# Altium PCB PIC18F_SUBSYSTEM_V1I1_PCB.PcbDoc (continued)
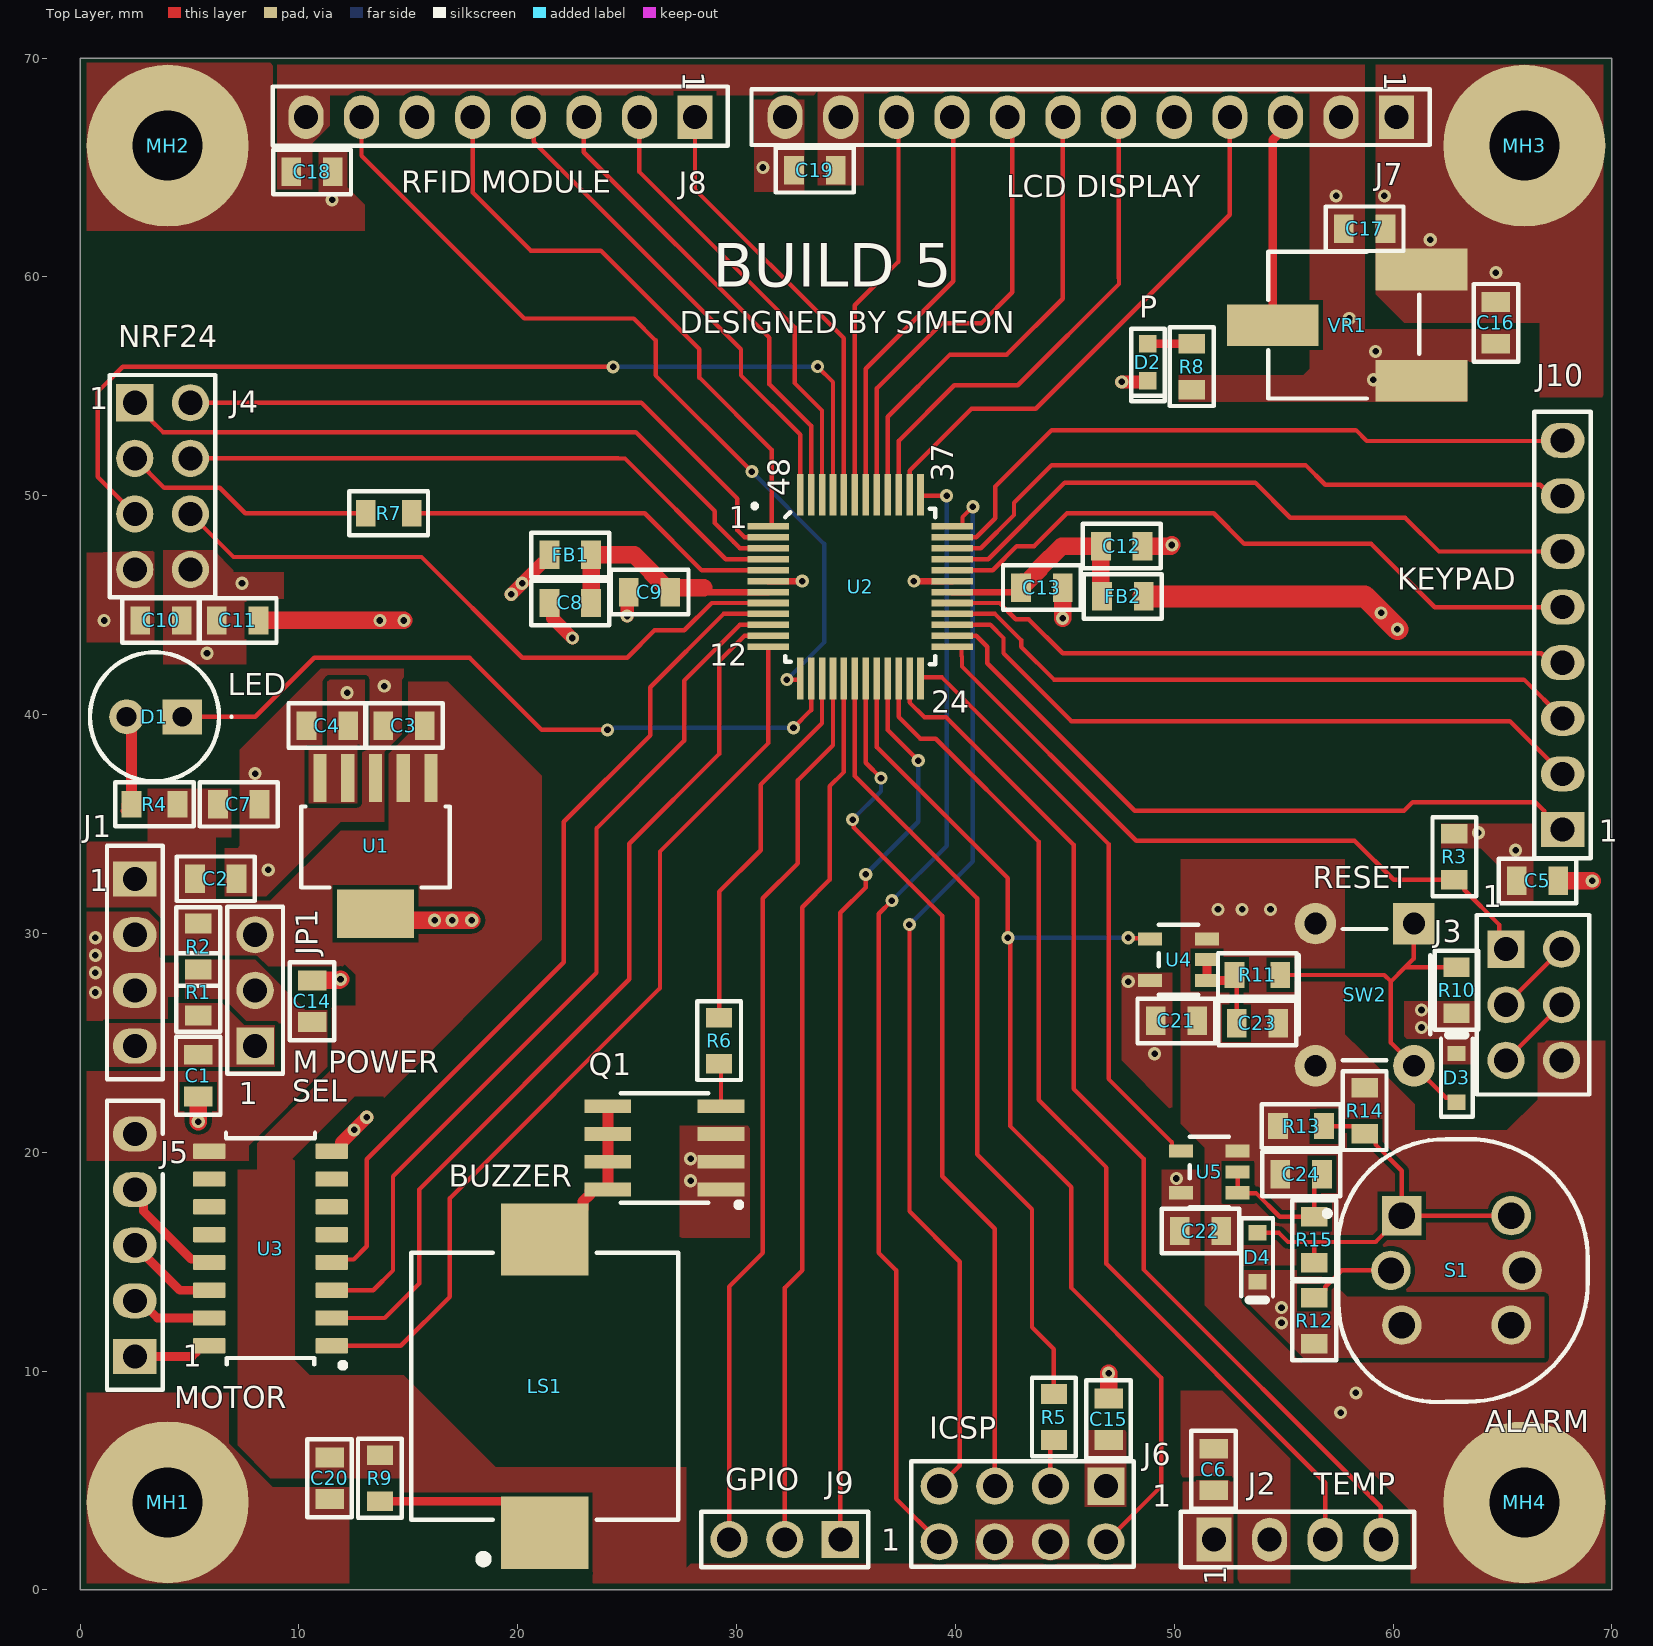
[diagram p0: Top Layer view]
## Part data (continued)
U3: "50-V, 7-ch darlington transistor array, -20C to 70C 16-SOIC -40 to 70", Case/Package=SOIC, Collector Emitter Breakdown Voltage=50V, Collector Emitter Saturation Voltage=1.1V, Collector-emitter Voltage-Max=1.6V, Current Rating=500mA, Manufacturer="Texas Instruments", Max Operating Temperature=70°C, Min Operating Temperature=-20°C, Package Quantity=2500, Supplier Part Number=595-ULN2003ADR, Category="Integrated Circuits (ICs)", Collector Emitter Voltage (VCEO)=50V, ComponentLink1Description=https://datasheet.ciiva.com/27049/700605-27049624.pdf?src-supplier=Jameco, ComponentLink1URL=https://datasheet.ciiva.com/27049/700605-27049624.pdf?src-supplier=Jameco, ComponentLink2Description=https://datasheet.ciiva.com/1193/1851982-1193407.pdf?src-supplier=Element14, ComponentLink2URL=https://datasheet.ciiva.com/1193/1851982-1193407.pdf?src-supplier=Element14, ComponentLink3Description=https://datasheet.ciiva.com/46423/1831474-46423371.pdf?src-supplier=Element14, ComponentLink3URL=https://datasheet.ciiva.com/46423/1831474-46423371.pdf?src-supplier=Element14, ComponentLink4Description=https://datasheet.ciiva.com/1700/uln2003a-1700767.pdf?src-supplier=Digikey, ComponentLink4URL=https://datasheet.ciiva.com/1700/uln2003a-1700767.pdf?src-supplier=Digikey, ComponentLink5Description=https://datasheet.ciiva.com/1700/uln2003a-1700766.pdf?src-supplier=Digikey, ComponentLink5URL=https://datasheet.ciiva.com/1700/uln2003a-1700766.pdf?src-supplier=Digikey, ComponentLink6Description=https://datasheet.ciiva.com/1700/uln2003a-1700768.pdf?src-supplier=Digikey, ComponentLink6URL=https://datasheet.ciiva.com/1700/uln2003a-1700768.pdf?src-supplier=Digikey, Height=1.58mm, Lead Free="Lead Free", Length=9.9mm, Manufacturer Part Number=ULN2003ADR, Max Breakdown Voltage=50V, Max Collector Current=500mA, Mounting Technology="Surface Mount", Number of Drivers=7, Number of Elements=7, Packaging="Tape and Reel", Pins=16, Polarity=NPN, Pricing="1=0.45, 10=0.3, 50=0.3, 100=0.159, 1000=0.144, 10000=0.095 (USD)", Radiation Hardening=No, Reach SVHC Compliant=No, RoHS=Yes, RoHS Compliant=Yes, Series="Automotive, AEC-Q100", Stock=207108, Supplier=Mouser, Supplier 1=Mouser, Supplier Part Number 1=595-ULN2003ADR, Voltage Rating (DC)=50V, Weight=0.004998oz, Width=3.91mm
U4 U5: "AND Gate, AHC/VHC/H/U/V Series, 1-Func, 2-Input, CMOS, PDSO5", Case/Package=LSSOP, Load Capacitance (CL)=50pF, Manufacturer="Texas Instruments", Max Operating Temperature=125°C, Max Supply Voltage=5.5V, Min Operating Temperature=-55°C, Min Supply Voltage=2V, Nominal Supply Voltage=3.3V, Package Body Material=Plastic, Package Equivalence Code=TSOP5/6,.11,37, Package Shape=Rectangular, Package Style="SMALL OUTLINE, LOW PROFILE, SHRINK PITCHMeter", Peak Reflow Temperature (Cel)=260°C, Power Supplies=2/5.5V, Supplier Part Number=296-29202-1-ND, Temperature Grade=MILITARY, Category="Logic Gates", Channels=1, ComponentLink1Description=https://www.ti.com:443/lit/ds/symlink/sn74ahc1g09.pdf?src-supplier=IHS+Markit, ComponentLink1URL=https://www.ti.com:443/lit/ds/symlink/sn74ahc1g09.pdf?src-supplier=IHS+Markit, ComponentLink2Description=https://datasheet.ciiva.com/1864/sn74ahc1g09-1864411.pdf?src-supplier=Digikey, ComponentLink2URL=https://datasheet.ciiva.com/1864/sn74ahc1g09-1864411.pdf?src-supplier=Digikey, ComponentLink3Description=https://datasheet.ciiva.com/1864/sn74ahc1g09-1864410.pdf?src-supplier=Digikey, ComponentLink3URL=https://datasheet.ciiva.com/1864/sn74ahc1g09-1864410.pdf?src-supplier=Digikey, ComponentLink4Description=https://datasheet.ciiva.com/1864/sn74ahc1g09-1864412.pdf?src-supplier=Digikey, ComponentLink4URL=https://datasheet.ciiva.com/1864/sn74ahc1g09-1864412.pdf?src-supplier=Digikey, Height - Seated (Max)=1.45mm, JESD-30 Code=R-PDSO-G5, JESD-609 Code=e4, Length=2.9mm, Logic Type="AND GATE", Manufacturer Part Number=SN74AHC1G09DBVR, Max I(ol)=8mA, Moisture Sensitivity Level=1, Number of Inputs=2, Output Characteristics=OPEN-DRAIN, Packaging="Tape and Reel", Pins=5, Pricing="1=0.12, 10=0.08, 25=0.0704, 100=0.0594, 250=0.05408, 500=0.05088, 1000=0.04826 (USD)", Prop. Delay@Nom-Sup=8.5ns, Propagation Delay (tpd)=12.5ns, Qualification Status="Not Qualified", Reach SVHC Compliant=Yes, RoHS=Yes, RoHS Compliant=Yes, Schmitt Trigger=No, Stock=15774, Supplier=Digikey, Supplier 1=Digikey, Supplier Part Number 1=296-29202-1-ND, Surface Mount=Yes, Technology=CMOS, Terminal Finish=Nickel, Terminal Form="Gull Wing", Terminal Pitch=0.95mm, Terminal Position=DUAL, Width=1.6mm
VR1: library part 3361P-1-103GLF, "Trimmer, Cermet, 0.5W, 10000ohm, 10% +/-Tol, 1 Turn(s)", Manufacturer=Bourns, Manufacturer Series=3361, Max Operating Temperature=125°C, Min Operating Temperature=-55°C, Package Shape=Rectangular, Power=500mW, Rated Temperature=70°C, Resistance Law=Linear, Resistor Type=TRIMMER, Supplier Part Number=652-3361P-1-103GLF, Tolerance=10%, Actuator Orientation=Vertical, Actuator Type=SCREW, Category="Variable Resistors and Potentiometers", ComponentLink1Description=https://datasheet.ciiva.com:443/pdfs/VipMasterIC/IC/BOUR/BOUR-S-A0008933114/BOUR-S-A0008933114-1.pdf?src-supplier=IHS+Markit, ComponentLink1URL=https://datasheet.ciiva.com:443/pdfs/VipMasterIC/IC/BOUR/BOUR-S-A0008933114/BOUR-S-A0008933114-1.pdf?src-supplier=IHS+Markit, ComponentLink2Description=https://datasheet.ciiva.com/27747/2033640-27747919.pdf?src-supplier=Jameco, ComponentLink2URL=https://datasheet.ciiva.com/27747/2033640-27747919.pdf?src-supplier=Jameco, ComponentLink3Description=https://datasheet.ciiva.com/11833/0900766b80fe1d0c-11833213.pdf?src-supplier=Rs, ComponentLink3URL=https://datasheet.ciiva.com/11833/0900766b80fe1d0c-11833213.pdf?src-supplier=Rs, ComponentLink4Description=https://datasheet.ciiva.com/1477/1846252-1477716.pdf?src-supplier=Element14, ComponentLink4URL=https://datasheet.ciiva.com/1477/1846252-1477716.pdf?src-supplier=Element14, ComponentLink5Description=https://datasheet.ciiva.com/1477/1846252-1477717.pdf?src-supplier=Element14, ComponentLink5URL=https://datasheet.ciiva.com/1477/1846252-1477717.pdf?src-supplier=Element14, ComponentLink6Description=https://datasheet.ciiva.com/3266/3361-3266293.pdf?src-supplier=Avnet, ComponentLink6URL=https://datasheet.ciiva.com/3266/3361-3266293.pdf?src-supplier=Avnet, ComponentLink7Description=https://datasheet.ciiva.com/2156/3361-2156171.pdf?src-supplier=Digikey, ComponentLink7URL=https://datasheet.ciiva.com/2156/3361-2156171.pdf?src-supplier=Digikey, ComponentLink8Description=https://datasheet.ciiva.com/2156/3361-2156172.pdf?src-supplier=Digikey, ComponentLink8URL=https://datasheet.ciiva.com/2156/3361-2156172.pdf?src-supplier=Digikey, ComponentLink9Description=https://datasheet.ciiva.com/2156/3361-2156170.pdf?src-supplier=Digikey, ComponentLink9URL=https://datasheet.ciiva.com/2156/3361-2156170.pdf?src-supplier=Digikey, ComponentLink10Description=https://datasheet.ciiva.com/30200/3361-30200607.pdf?src-supplier=Onlinecomponents.com, ComponentLink10URL=https://datasheet.ciiva.com/30200/3361-30200607.pdf?src-supplier=Onlinecomponents.com, JESD-609 Code=e3, Manufacturer Part Number=3361P-1-103GLF, Mounting Technology="Surface Mount", Number of Turns=1, Packaging="Tape and Reel", Pins=3, Pricing="1=1.24, 10=0.944, 50=0.944, 100=0.808, 1000=0.602, 10000=0.567 (USD)", Reach SVHC Compliant=Yes, RoHS=Yes, RoHS Compliant=Yes, Stock=17617, Supplier=Mouser, Supplier 1=Mouser, Supplier Part Number 1=652-3361P-1-103GLF, Technology=CERMET, Terminal Finish=Tin, Termination=Flat

## Via types
v1: diameter 0.6, hole 0.3, Top Layer to Bottom Layer, tented both sides, 74 vias

## Nets (pads, with @x,y where several pads share a name; then routed paths per layer and width w, separated by ;. In a path a pad name is that pad's centre, name@x,y a point inside that pad or via, vN(x,y) a via of type N, cw(c..) or ccw(c..) an arc to the next point about the centre after c; other vN are vias at no path point)
+3V3: C4.2 C10.2 C11.2 J4.8 U1.4 U1.5
  other v1: 12.2,41 5.8,42.8 7.4,46
+5V: C2.2 C3.2 C5.2 C6.2 C7.2 C15.2 C16.2 C17.2 C18.2 C19.2 C20.2 C21.2 C22.2 D3.1 D4.1 FB1.1 FB2.1 J1.1 J2.1 J6.1 J7.2 J7.11 J8.8 JP1.3 R2.2 R3.2 R4.2 R8.2 R9.2 R10.2 R12.2 S1.3 S1.4 U1.1 U1.2 U4.5 U5.5 VR1.1 | length 14.8
  Top Layer w0.6: v1(19.7,45.5) 21.15,46.95 21.3,46.95 21.45,47.1 FB1.1
  Top Layer w1: FB2.1 58.7,45.4 v1(60.2,43.9)
  other v1: 54.9,12.2 54.9,12.9 50.1,18.8 49.1,24.5 61.3,25.7 61.3,26.5 47.9,27.8 65.6,33.8 63.9,34.6 59.45,44.65 20.2,46 59.1,55.3 59.2,56.6 58,58.1 57.4,63.7
+5V_PIC18F_VDD: C8.2 C9.2 FB1.2 U2.7 | length 10.8
  Top Layer w0.3: 28.7,45.6 U2.7
  Top Layer w0.8: C8.2 FB1.2 25.324,47.3 26.125,46.499 26.125,46.45 26.775,45.8 28.5,45.8
+5V_PIC18F_VDD1: C12.2 C13.2 FB2.2 U2.30 | length 10.1
  Top Layer w0.3: U2.30 42.8,45.6 C13.2
  Top Layer w0.8: C13.2 43,46 43.05,46.05 43.25,46.05 43.85,46.65 43.85,46.699 44.851,47.7 C12.2 46.65,45.65 46.7,45.6 FB2.2
+12V: C1.2 J1.4 JP1.1 R1.1
+12V/5V: C14.2 J5.5 JP1.2 R1.2 R2.1 U3.9
BUF_MAN_ALARM_CTRL: C24.2 R15.2 U5.1 U5.2 | length 7
  Top Layer w0.2: U5.2 U5.1 52.916,18.134 53.734,18.134 54.817,17.05 R15.2 56.4,18.65 C24.2
BUF_MCLRn: C23.2 R11.2 U4.1 U4.2 | length 4.5
  Top Layer w0.2: R11.2 52.85,28 C23.2
  Top Layer w0.4: U4.2 U4.1 52.5,27.85 R11.2
BUTTON_ALARM: D4.2 R13.2 R14.2 R15.1 S1.1 S1.2 | length 19.8
  Top Layer w0.2: D4.2 54.785,16.315 55.2,15.9 56.4,15.9 ; R15.1 56.4,15.9 ; R13.2 58.355,21.195 R14.2 58.85,20.85 59.2,20.5 59.2,20.35 60.4,19.15 S1.1 ; S1.2 S1.1 ; 56.4,15.9 59.2,15.9 S1.1
BUTTON_MCLRn: D3.2 R10.1 R11.1 SW2.1 SW2.2 | length 17.5
  Top Layer w0.2: R11.1 59.6,28.1 59.9,27.8 ; SW2.1 60.95,28.85 60.55,28.45 ; D3.2 62.7,22.485 62.415,22.485 SW2.2 59.9,25 59.9,27.8 ; R10.1 60.55,28.45 ; 59.9,27.8 60.55,28.45
BZZR_CTRL: Q1.4 R6.1 | length 2
  Top Layer w0.2: R6.1 29.286,23.964 Q1.4
CDC_RX: J6.7 U2.36 | length 48.9
  Top Layer w0.2: v1(37.9,30.4) 37.9,17.3 40.2,15 40.2,5.68 J6.7 ; U2.36 40.324,48.6 40.324,49.024 v1(40.8,49.5)
  Bottom Layer w0.2: v1(37.9,30.4) 40.8,33.3 v1(40.8,49.5)
CDC_TX: J6.8 U2.37 | length 51.5
  Top Layer w0.2: v1(37.1,31.5) 36.5,30.9 36.5,15.4 37.3,14.6 37.3,4.16 J6.8 ; U2.37 38.405,50 v1(39.6,50)
  Bottom Layer w0.2: v1(37.1,31.5) 39.6,34 v1(39.6,50)
GAS_SENS_ALARM_CTRL: J2.3 U2.22 | length 47.8
  Top Layer w0.2: U2.22 37.405,39.895 38.4,38.9 39.1,38.9 43.8,34.2 43.8,22.4 46.9,19.3 46.9,14.9 56.9,4.9 J2.3
GND: C1.1 C2.1 C3.1 C4.1 C5.1 C6.1 C7.1 C8.1 C9.1 C10.1 C11.1 C12.1 C13.1 C14.1 C15.1 C16.1 C17.1 C18.1 C19.1 C20.1 C21.1 C22.1 C23.1 C24.1 D2.1 J1.2 J1.3 J2.2 J3.6 J4.7 J6.4 J6.6 J7.1 J7.5 J7.12 J8.6 MH1.1 MH2.1 MH3.1 MH4.1 Q1.1 Q1.2 Q1.3 R13.1 R14.1 S1.6 SW2.3 SW2.4 U1.3 U1.6 U2.6 U2.31 U3.8 U4.3 U5.3 VR1.3 | length 29.3
  Top Layer w0.3: U2.6 v1(33,46.1) ; v1(38.1,46.1) U2.31
  Top Layer w0.6: U3.8 11.9,20.045 11.95,20.095 11.95,20.45 v1(13.1,21.6) ; C8.1 21.6,44.95 21.6,44.4 v1(22.5,43.5) ; v1(25,44.5) v1(25,44.5) 25.001,45.526 C9.1 ; v1(47.6,55.2) 48.75,55.2 D2.1
  Top Layer w0.8: v1(5.4,21.4) C1.1 ; C11.1 v1(13.7,44.3) v1(14.8,44.3) ; C14.1 11.85,27.85 v1(11.9,27.9) ; U1.6 13.8,30.6 v1(16.2,30.6) v1(17,30.6) v1(17.9,30.6) ; v1(44.9,44.4) C13.1 ; C15.1 v1(47,9.9) ; C12.1 49.846,47.7 v1(49.896,47.75) ; C5.1 v1(69.1,32.4)
  other v1: 57.6,8.1 58.3,9 27.9,18.7 27.9,19.7 12.525,21.025 0.7,27.3 0.7,28.2 0.7,29 0.7,29.8 52,31.1 53.1,31.1 54.4,31.1 8.6,32.9 8,37.3 13.9,41.3 1.1,44.3 64.7,60.2 61.7,61.7 11.519,63.519 59.6,63.7 31.2,65
GPIO_1: J9.1 U2.21 | length 41.4
  Top Layer w0.2: J9.1 34.74,30.94 35.9,32.1 v1(35.9,32.699) ; U2.21 36.905,39.295 v1(38.3,37.9)
  Bottom Layer w0.2: v1(35.9,32.699) 38.3,35.099 v1(38.3,37.9)
GPIO_2: J9.2 U2.17 | length 40.5
  Top Layer w0.2: J9.2 32.2,13.8 33,14.6 33,31.2 34.25,32.45 34.25,36.722 34.905,37.378 U2.17
GPIO_3: J9.3 U2.16 | length 41.3
  Top Layer w0.2: J9.3 29.66,13.86 31.2,15.4 31.2,31.607 32.803,33.21 32.803,36.997 34.405,38.6 U2.16
ICSPCLK: J6.3 R5.1 | length 2.2
  Top Layer w0.2: J6.3 44.34,6.69 R5.1
ICSPCLK_22R: R5.2 U2.18 | length 36.5
  Top Layer w0.2: U2.18 35.405,37.195 41,31.6 41,19.9 43.5,17.4 43.5,12 44.5,11 R5.2
ICSPDAT: J6.5 U2.19 | length 40.4
  Top Layer w0.2: v1(35.3,35.2) 35.357,35.143 35.357,34.843 39.4,30.8 39.4,18.9 41.8,16.5 J6.5 ; U2.19 35.905,37.795 v1(36.6,37.1)
  Bottom Layer w0.2: v1(35.3,35.2) 36.6,36.5 v1(36.6,37.1)
KEYPAD_C1: J10.5 U2.32 | length 30.8
  Top Layer w0.2: U2.32 41.707,46.6 42.807,47.7 43.6,47.7 45.1,49.2 51.8,49.2 53.2,47.8 59,47.8 61.9,44.9 67.74,44.9 J10.5
KEYPAD_C2: J10.6 U2.33 | length 30.6
  Top Layer w0.2: U2.33 41.5,47.1 45,50.6 53.7,50.6 55.3,49 60.55,49 62.1,47.45 J10.6
KEYPAD_C3: J10.7 U2.34 | length 30.4
  Top Layer w0.2: U2.34 41.157,47.6 42.679,49.121 42.679,49.679 44.4,51.4 56,51.4 56.9,50.5 66.724,50.5 67.234,49.99 J10.7
KEYPAD_C4: J10.8 U2.35 | length 31
  Top Layer w0.2: U2.35 40.95,48.1 41.825,48.975 41.825,50.425 44.4,53 58.3,53 58.8,52.5 67.72,52.5 J10.8
KEYPAD_R1: J10.1 U2.26 | length 32.4
  Top Layer w0.2: U2.26 40.95,43.6 41.45,43.1 41.45,42.35 48.2,35.6 60.5,35.6 60.9,36 66.5,36 66.9,35.6 66.9,35.4 67.55,34.75 J10.1
KEYPAD_R2: J10.2 U2.27 | length 31.1
  Top Layer w0.2: U2.27 41.6,44.1 42.2,43.5 42.2,42.8 45.3,39.7 65.34,39.7 J10.2
KEYPAD_R3: J10.3 U2.28 | length 30
  Top Layer w0.2: U2.28 41.807,44.6 43,43.407 43,43.104 44.504,41.6 65.98,41.6 J10.3
KEYPAD_R4: J10.4 U2.29 | length 29
  Top Layer w0.2: U2.29 42.014,45.1 42.757,44.357 43.343,44.357 44.9,42.8 66.768,42.8 67.198,42.37 J10.4
LCD_D0: J7.7 U2.40 | length 22.1
  Top Layer w0.2: U2.40 36.905,53.605 39.75,56.45 42.35,56.45 44.9,59 44.9,67.28 J7.7
LCD_D1: J7.8 U2.41 | length 21
  Top Layer w0.2: U2.41 36.405,54.905 39.375,57.875 41.175,57.875 42.6,59.3 42.6,67.08 J7.8
LCD_D2: J7.9 U2.42 | length 18.9
  Top Layer w0.2: U2.42 35.905,55.805 39.9,59.8 39.9,67.24 J7.9
LCD_D3: J7.10 U2.43 | length 18.1
  Top Layer w0.2: U2.43 35.405,58.705 37.4,60.7 37.4,67.2 J7.10
LCD_E: J7.6 U2.39 | length 23.1
  Top Layer w0.2: U2.39 37.405,52.505 39.95,55.05 42.85,55.05 47.476,59.676 47.476,59.924 47.46,59.94 J7.6
LCD_RS: J7.4 U2.38 | length 25
  Top Layer w0.2: U2.38 37.905,51.145 40.735,53.975 43.675,53.975 52.54,62.84 J7.4
LCD_V0: J7.3 VR1.2 | length 9.7
  Top Layer w0.4: VR1.2 54.5,66.266 55.08,66.846 J7.3
LED_ROOM: D1.1 U2.14 | length 33
  Top Layer w0.2: D1.1 8,39.9 10.7,42.6 17.8,42.6 21.1,39.3 v1(24.1,39.3) ; v1(32.6,39.4) 33.405,40.205 U2.14
  Bottom Layer w0.2: v1(24.1,39.3) 24.157,39.357 24.37,39.357 24.412,39.4 v1(32.6,39.4)
MAN_ALARM_CTRL: U2.24 U5.4 | length 27.3
  Top Layer w0.2: U2.24 38.405,41.7 39.385,41.7 47,34.085 47,23.35 49.9,20.45 49.9,20.2 50.05,20.05 U5.4
MCLRn: J6.2 U2.20 U4.4 | length 52.4
  Top Layer w0.2: U2.20 36.405,38.514 42.4,32.519 v1(42.4,29.8) ; v1@42.5,29.8 42.5,21.2 45.3,18.4 45.3,13.8 49.4,9.7 49.4,4.72 J6.2 ; v1(47.9,29.8) 47.925,29.775 48.875,29.775 U4.4
  Bottom Layer w0.2: v1(42.4,29.8) v1(47.9,29.8)
MIN_BLUE: U2.12 U3.1 | length 42.1
  Top Layer w0.2: U3.1 14.655,11.155 16.9,13.4 16.9,17.9 26.5,27.5 26.5,33.745 31.455,38.7 U2.12
MIN_ORANGE: U2.9 U3.4 | length 39.6
  Top Layer w0.2: U3.4 11.635,15.1 12.5,15.1 13.1,15.7 13.1,19.681 22.1,28.681 22.1,35.1 26.05,39.05 26.05,41.25 29.4,44.6 29.852,44.6 U2.9
MIN_PINK: U2.11 U3.2 | length 41.5
  Top Layer w0.2: U3.2 13.925,12.425 15.5,14 15.5,18.3 25.1,27.9 25.1,34.1 29.2,38.2 29.2,42.44 30.36,43.6 U2.11
MIN_YELLOW: U2.10 U3.3 | length 40.5
  Top Layer w0.2: U3.3 13.395,13.695 14.3,14.6 14.3,18.9 23.6,28.2 23.6,34.8 27.6,38.8 27.6,41.547 30.153,44.1 U2.10
MOUT_BLUE: J5.1 U3.16 | length 3.7
  Top Layer w0.4: J5.1 5.116,10.67 5.35,10.904 5.35,11.005 5.5,11.155 U3.16
MOUT_ORANGE: J5.4 U3.13 | length 5.1
  Top Layer w0.4: J5.4 2.895,17.895 2.895,17.305 5.085,15.115 5.75,15.115 U3.13
MOUT_PINK: J5.2 U3.15 | length 3.7
  Top Layer w0.4: J5.2 2.749,13.21 3.534,12.425 U3.15
MOUT_YELLOW: J5.3 U3.14 | length 4.3
  Top Layer w0.4: J5.3 4.555,13.695 U3.14
NetD1_2: D1.2 R4.1 | length 4.6
  Top Layer w0.4: R4.1@2.05,35.6 2.1,35.65 R4.1@2.1,35.9 ; D1.2@2.1,39.9 D1.2@2.1,40.1
  Top Layer w0.5: D1.2 2.13,39.602 2.35,39.382 R4.1
NetD2_2: D2.2 R8.1 | length 2
  Top Layer w0.4: D2.2 R8.1
NetJ3_2: J3.2 J3.3 | length 3.6
  Top Layer w0.2: J3.3 J3.2
NetJ3_4: J3.4 J3.5 | length 3.6
  Top Layer w0.2: J3.5 J3.4
NetLS1_1: LS1.1 R9.1 | length 8.1
  Top Layer w0.4: R9.1 19.791,4.05 LS1.1
NetLS1_2: LS1.2 Q1.5 Q1.6 Q1.7 Q1.8 | length 7.9
  Top Layer w0.5: LS1.2 21.583,16.008 22.983,17.408 22.983,17.758 23.297,18.072 23.297,18.233 23.359,18.295 Q1.8 Q1.7 Q1.6 Q1.5
NetR12_1: R12.1 S1.5 | length 4.1
  Top Layer w0.2: R12.1 56.55,13.35 56.9,13.7 56.9,13.85 57.65,14.6 S1.5
NRF_CE_SPI2: J4.5 U2.45 | length 45.8
  Top Layer w0.2: J4.5 0.8,50.87 0.8,54.745 1.946,55.891 v1(24.358,55.891) ; v1(33.7,55.9) 34.405,55.195 U2.45
  Bottom Layer w0.2: v1(24.358,55.891) 33.691,55.891 v1(33.7,55.9)
NRF_CNS: J4.6 U2.8 | length 30.2
  Top Layer w0.2: J4.6 7.01,47.2 15.6,47.2 20.2,42.6 25,42.6 26.25,43.85 27.613,43.85 28.863,45.1 29.645,45.1 U2.8
NRF_IRQ: J4.2 U2.2 | length 30
  Top Layer w0.2: J4.2 25.65,54.25 30.03,49.87 30.03,48.43 30.36,48.1 U2.2 U2.2@31.6,48.1
NRF_MISO_SPI2: J4.1 U2.3 | length 31.9
  Top Layer w0.2: J4.1@2.6,54.1 2.65,54.1 3.2,53.55 3.2,53.5 3.79,52.91 5.29,52.91 5.3,52.9 25.4,52.9 29,49.3 29,48.753 29.877,47.877 30.153,47.6 U2.3
NRF_MOSI_SPI2: J4.4 U2.4 | length 28.7
  Top Layer w0.2: J4.4 24.6,51.71 ; 24.6,51.7 24.9,51.7 29.5,47.1 U2.4 U2.4@31.8,47.1
NRF_SCK_SPI2: J4.3 R7.1 | length 11.6
  Top Layer w0.2: J4.3 3.84,50.37 6.38,50.37 7.55,49.2 R7.1
R_BZZR_CTRL: R6.2 U2.15 | length 17.4
  Top Layer w0.2: R6.2 29.2,31.9 31.1,33.8 31.1,36.8 33.905,39.605 U2.15
R_NRF_SCK: R7.2 U2.5 | length 17.4
  Top Layer w0.2: R7.2 25.8,49.2 28.4,46.6 U2.5
RFID_IRQ: J8.5 U2.1 | length 26.4
  Top Layer w0.2: J8.5 17.94,63.86 20.6,61.2 23.8,61.2 28.3,56.7 28.3,55.4 31.6,52.1 31.6,48.6 U2.1
RFID_MISO_SPI1: J8.4 U2.48 | length 22.4
  Top Layer w0.2: J8.4 20.724,67.056 20.724,66.176 30.2,56.7 30.2,55.5 32.905,52.795 U2.48
RFID_MOSI_SPI1: J8.3 U2.47 | length 21.6
  Top Layer w0.2: J8.3 23.02,65.7 31.5,57.22 31.5,55.1 33.405,53.195 U2.47
RFID_RST: J8.7 U2.13 | length 38.7
  Top Layer w0.2: J8.7 12.86,65.54 20.3,58.1 25.3,58.1 26.3,57.1 26.3,55.5 v1(30.7,51.1) ; v1(32.3,41.6) 32.905,41.6 U2.13
  Bottom Layer w0.2: v1(30.7,51.1) 34,47.8 34,43.3 v1(32.3,41.6)
RFID_SCK_SPI1: J8.2 U2.46 | length 20.7
  Top Layer w0.2: J8.2 25.56,64.8 32.65,57.71 32.65,55.15 33.905,53.895 U2.46
RFID_SS_SPI1: J8.1 U2.44 | length 20.1
  Top Layer w0.2: J8.1 28.1,64 34.905,57.195 U2.44
TEMP_SENS: J3.1 R3.1 U2.25 | length 32.1
  Top Layer w0.2: U2.25 40.279,43.1 40.279,42.676 40.3,42.655 40.3,42.2 48.261,34.239 58.239,34.239 60.028,32.45 R3.1 62.95,32.45 63.25,32.15 63.25,32 64.846,30.404 64.846,29.594 J3.1
V_GAS_ANALOG: J2.4 U2.23 | length 48.8
  Top Layer w0.2: U2.23 37.905,40.555 38.585,39.875 39.575,39.875 45.4,34.05 45.4,22.9 48.6,19.7 48.6,14.64 59.44,3.8 J2.4
pads on no net: U3.5 U3.6 U3.7 U3.10 U3.11 U3.12

## Polygon pours and split planes (outlines as drawn)
+5V on Top Layer "+5V_L01_P000" (solid, remove dead copper, pour order 0): 55.9,10.6 53.3,13.2 53.3,13.3 53.2,13.4 53.2,14.6 56.7,14.6 57.9,13.4 66.9,13.4 66.9,10.6
+12V/5V on Top Layer "+12V/5V_L01_P005" (solid, remove dead copper, pour order 5): 4.8,27 6.6,27 7.7,25.9 9.3,25.9 9.3,23.7 0.3,23.7 0.3,19.6 7.7,19.6 7.7,20.3 11.3,23.9 11.3,26.5 10.3,26.5 8,28.8 4.8,28.8
+3V3 on Top Layer "+3V3_L01_P042" (solid, remove dead copper, pour order 42): 4.2,47.5 6.1,47.5 7,46.6 7,46.5 9.3,46.5 9.3,45.3 7.6,45.3 7.6,42.3 3.8,42.3 3.8,47.5 4.2,47.5 4.2,47.6
GND on Top Layer "GND_L01_P041" (solid, remove dead copper, pour order 41): 33.1,68.4 33.2,68.5 30.8,68.5 30.8,63.9 33.1,63.9 33.1,65.6
+5V on Top Layer "+5V_L01_P040" (solid, remove dead copper, pour order 40): 47.5,28.1 47.6,28.1 47.6,24.2 49.9,21.9 49.9,28.2 47.6,28.2 47.6,28
+5V on Top Layer "+5V_L01_P039" (solid, remove dead copper, pour order 39): 51.2,19.2 51.2,15.384 49.422,15.384 49.422,19.2 49.4,19.2
+5V on Top Layer "+5V_L01_P038" (solid, remove dead copper, pour order 38): 62.2,35 66.4,35 66.4,31.4 66.384,31.384 64.822,31.384 64.822,33.078 64,33.9 62.2,33.9
+5V on Top Layer "+5V_L01_P036" (solid, remove dead copper, pour order 36): 62.189,24.011 63.611,24.011 63.8,24.2 63.8,26.9 60.5,26.9 60.5,25.3 60.622,25.178 62.189,25.178
GND on Top Layer "GND_L01_P035" (solid, remove dead copper, pour order 35): 0.3,47.4 0.3,43.3 3.4,43.3 3.4,47.5
GND on Top Layer "GND_L01_P034" (solid, remove dead copper, pour order 34): 27.4,16 27.5,16.1 30.6,16.1 30.6,21.1 30.5,21.2 27.4,21.2 30.5,21.2 27.4,21.2
GND on Top Layer "GND_L01_P032" (solid, remove dead copper, pour order 32): 0.3,26 4,26 4,27.1 4.5,27.1 4.5,28.7 4.467,28.667 3.77,28.667 3.77,30.43 3.2,31 0.3,31 0.3,30.7 0.3,31 0.3,30.7
+3V3 on Top Layer "+3V3_L01_P001" (solid, remove dead copper, pour order 1): 10.46,35.8 10.46,38.4 11.216,38.4 11.3,38.484 11.3,41.5 11.4,41.6 13,41.6 13,38.4 12.75,38.65 12.658,38.65 12.658,35.941 12.65,35.949 10.442,35.949
GND on Top Layer "GND_L01_P031" (solid, remove dead copper, pour order 31): 11,42.1 14.8,42.1 14.8,41.7 14.7,41.6 14.7,39.1 13.9,38.3 13.9,35.1 11.9,35.1 8.5,31.7 6.6,31.7 6.6,33.9 7.2,33.9 7.3,34 7.3,38.4
GND on Top Layer "GND_L01_P030" (solid, remove dead copper, pour order 30): 12.3,0.3 12.3,4.7 8.8,4.7 6.8,6.7 6.8,9 0.3,9 0.3,0.3 0.3,9 0.3,0.3
GND on Top Layer "GND_L01_P029" (solid, remove dead copper, pour order 29): 13,63.3 12.2,64.1 12.2,65.7 10.9,65.7 10.9,63.7 8.9,63.7 8.904,63.704 8.904,69.787 0.313,69.787 0.3,69.8 0.3,62.1 13,62.1
GND on Top Layer "GND_L01_P028" (solid, remove dead copper, pour order 28): 59.2,69.7 69.6,69.7 69.6,54.6 69.7,54.5 66.7,54.5 66.7,57.9 60.5,57.9 59.2,59.2
GND on Top Layer "GND_L01_P027" (solid, remove dead copper, pour order 27): 53.7,18.1 53.734,18.134 55.795,18.134 55.795,21.295 56.5,22 59.5,22 59.5,23.7 57.8,25.4 57.8,33.4 50.3,33.4 50.3,21.3 51.4,20.2 51.4,13.7 52.8,13.7 52.8,17.3 52.2,17.3 52.2,19.6 53.6,19.6 53.7,19.5
GND on Top Layer "GND_L01_P025" (solid, remove dead copper, pour order 25): 40.9,1.3 41,1.2 45.2,1.2 45.2,3.2 40.9,3.2 40.9,1.1
GND on Top Layer "GND_L01_P023" (solid, remove dead copper, pour order 23): 66.6,25 66.9,25 67,25.1 69.7,25.1 69.7,0.3 60.8,0.3 60.8,3.6 51.4,13 51.4,20.2 54.7,23.5 54.7,25 58.2,25 61,22.2 61,21 65.2,21 66.6,22.4
GND on Top Layer "GND_L01_P022" (solid, remove dead copper, pour order 22): 53,0.3 55.3,0.3 55.3,6 52.2,9.1 50.3,9.1 50.3,5.3
+5V on Top Layer "+5V_L01_P021" (solid, remove dead copper, pour order 21): 23.4,0.3 23.433,0.333 23.433,0.758 23.451,0.758 23.453,0.761 23.433,0.781 23.433,4.458 14.7,4.458 14.7,9.7 14.8,9.8 18.9,5.7 19,5.6 27.7,5.6 27.7,1 27.9,1.2 50.4,1.2 50.4,4.9 50.35,4.95 52.7,4.95 52.7,0.3
+5V on Top Layer "+5V_L01_P020" (solid, remove dead copper, pour order 20): 51,5 52.5,5 52.6,4.9 52.6,1.3 51,1.3 51,5.1
+5V on Top Layer "+5V_L01_P016" (solid, remove dead copper, pour order 16): 45.9,7.3 45.9,3.8 47.8,3.8 47.8,7.2 47.9,7.3
+5V on Top Layer "+5V_L01_P015" (solid, remove dead copper, pour order 15): 56.611,61.476 56.535,61.4 56.2,61.4 56.2,55.8 55.9,55.5 50.2,55.5 50.2,54.3 63.4,54.3 63.4,56.2 63.478,56.122 65.716,56.122 65.716,57.484 65.6,57.6 58.7,57.6 58.7,63.9
+5V on Top Layer "+5V_L01_P014" (solid, remove dead copper, pour order 14): 33.525,68.3 33.625,68.4 56.2,68.4 56.2,61.4 58.7,61.4 58.7,69.7 35.8,69.7
+5V on Top Layer "+5V_L01_P013" (solid, remove dead copper, pour order 13): 34.75,69.7 9,69.7 9,68.3 33.525,68.3
+5V on Top Layer "+5V_L01_P012" (solid, remove dead copper, pour order 12): 33.7,64.2 33.7,69.7 35.8,69.7 35.8,64.2
+5V on Top Layer "+5V_L01_P008" (solid, remove dead copper, pour order 8): 10.6,64 10.6,66.1 11.4,66.9 11.4,68.5 9,68.5 9,64
+5V on Top Layer "+5V_L01_P007" (solid, remove dead copper, pour order 7): 8.7,5.1 7.2,6.6 7.2,19.2 8.1,19.2 8.1,23.3 11.5,26.7 12.6,26.7 12.6,28.1 12.1,28.6 12,28.5 8.5,28.5 8,29 3.8,29 3.8,30.6 3.2,31.2 0.3,31.2 0.3,34.2 3.1,34.2 3.1,36.6 3.116,36.616 6.9,36.616 6.9,34.4 6.2,34.4 6.2,31.484 6.216,31.5 8.7,31.5 11.9,34.7 14.1,34.7 14.1,38.2 15,39.1 15,41.5 16.8,41.5 21.1,37.2 21.1,29.7 13.9,22.5 13.85,22.55 12.55,22.55 9.7,19.7 9.8,19.6 9.8,10.5 10.5,9.8 14.8,9.8 14.8,5.112 14.812,5.1
+12V on Top Layer "+12V_L01_P003" (solid, remove dead copper, pour order 3): 1.2,25.9 4.4,25.9 4.4,26.8 6.5,26.8 7.5,25.8 8.9,25.8 8.9,23.9 1.2,23.9
GND on Bottom Layer "GND_L02_P019" (solid, remove dead copper, pour order 19): 69.7,69.6 69.5,69.8 0.3,69.8 0.3,0.3 69.7,0.3
+3V3 on Bottom Layer "+3V3_L02_P017" (solid, remove dead copper, pour order 17): 12.9,36 12.9,44.9 11.1,46.7 6.8,46.7 5.6,47.9 3.8,47.9 3.8,43.1 5.6,43.1 5.6,41.1 10.7,36
+5V on Bottom Layer "+5V_L02_P006" (solid, remove dead copper, pour order 6): 50.051,1.249 50.013,1.313 47.526,3.8 45.9,3.8 45.9,7.6 48.3,7.6 48.3,27.3 47.5,27.3 47.5,28.6 59,28.6 59,53.8 50.2,53.8 50.2,56.3 53.45,59.55 55.8,59.55 55.8,63.9 58.7,63.9 58.7,59.1 60.3,57.5 66.1,57.5 66.2,57.6 66.2,31.1 63.6,31.1 63.6,13.1 66.2,13.1 66.3,13 66.3,10.8 58.4,10.8 52.7,5.1 52.7,1.249
+5V on Bottom Layer "+5V_L02_P010" (solid, remove dead copper, pour order 10): 8.3,59.527 8.3,69.7 9.3,69.7 11.9,69.7 11.9,65.8 11.2,65.8 10.9,66.1 10.7,65.9 10.7,60.9 22.4,49.2 22.4,48 19.827,48
+5V on Bottom Layer "+5V_L02_P004" (solid, remove dead copper, pour order 4): 22.4,45.7 22.4,48 19.8,48 19.7,48.1 19.703,46.297 15,41.594 15,39.7 18.3,39.7 18.4,39.8 18.4,41.7

## Silkscreen, mask and mechanical layers (free items; w line width, h text height)
Top Overlay:
  lines w0.2: 3.77,18.5 3.77,18.991 ; 3.77,20.848 3.77,22.354
  text "RFID MODULE" at 14.675,63.85 h1
  text "LCD DISPLAY" at 42.325,63.65 h1
  text "BUILD 5" at 28.9,59.55 h2
  text "P" at 48.4,58.125 h1
  text "DESIGNED BY SIMEON" at 27.403,57.428 h1
  text "NRF24" at 1.75,56.775 h1
  text "37" at 39.9,50.65 h1 r90
  text "48" at 32.425,49.975 h1 r90
  text "1" at 29.638,48.515 h1
  text "KEYPAD" at 60.2,45.7 h1
  text "12" at 28.75,42.225 h1
  text "LED" at 6.75,40.875 h1
  text "24" at 38.885,40.075 h1
  text "RESET" at 56.325,32.075 h1
  text "M POWER" at 9.725,23.625 h1
  text "SEL" at 9.7,22.3 h1
  text "BUZZER" at 16.85,18.425 h1
  text "MOTOR" at 4.3,8.3 h1
  text "ALARM" at 64.2,7.2 h1
  text "ICSP" at 38.8,6.9 h1
  text "GPIO" at 29.475,4.55 h1
  text "TEMP" at 56.375,4.35 h1
Bottom Overlay:
  lines w0.2: 10.55,29.925 10.85,29.925 12.475,29.925 15.475,26.925 ; 10.575,26.925 15.475,26.925 ; 10.65,24.25 13.1,24.25 15.475,26.625 15.475,26.925
  text "D3" at 38.075,65.262 h1
  text "D0" at 45.575,65.262 h1
  text "RS" at 53.075,65.262 h1
  text "V0" at 55.575,65.262 h1
  text "VCC" at 58.075,65.261 h1
  text "GND" at 60.575,65.262 h1
  text "K" at 32.575,65.25 h1
  text "D2" at 40.575,65.25 h1
  text "D1" at 43.075,65.25 h1
  text "E" at 48.075,65.25 h1
  text "R/W" at 50.557,65.251 h1
  text "A" at 35.3,65.174 h1
  text "VCC" at 10.853,65.131 h1
  text "GND" at 16.161,65.091 h1
  text "IRQ" at 18.48,65.085 h1
  text "RST" at 13.393,65.061 h1
  text "MISO" at 21.306,65.032 h1
  text "MOSI" at 24,65.012 h1
  text "SCK" at 26.5,65.012 h1
  text "SS" at 28.5,65.012 h1
  text "IRQ" at 8.5,54.065 h1
  text "MISO" at 0.512,53 h1 r270
  text "C4" at 66,52.011 h1
  text "MOSI" at 8.5,51.512 h1
  text "SCK" at 0.512,50.5 h1 r270
  text "C3" at 66,49.512 h1
  text "CNS" at 8.5,49.012 h1
  text "CE" at 0.511,48.5 h1 r270
  text "C2" at 66,47.011 h1
  text "VCC" at 8.5,46.511 h1
  text "GND" at 0.512,45.5 h1 r270
  text "C1" at 66,44.511 h1
  text "R4" at 66.075,42.25 h1
  text "ROOM LIGHTING" at 7.5,41.512 h1
  text "R3" at 66.075,39.762 h1
  text "A" at 2.575,37.75 h1
  text "K" at 5.075,37.75 h1
  text "R2" at 66.075,37.25 h1
  text "R1" at 66.075,34.25 h1
  text "DEFAULT 12V" at 21.5,33.026 h2.2
  text "5V" at 5.5,32.012 h1
  text "5V" at 13.5,31.051 h2.2
  text "GND" at 5.5,29.512 h1
  text "+" at 69.5,28.908 h1
  text "-" at 63.5,28.829 h1
  text "GND" at 5.5,27.012 h1
  text "+" at 69.5,26.408 h1
  text "-" at 63.5,26.329 h1
  text "5V/12" at 21.05,26.201 h2.2
  text "12V" at 5.5,24.5 h1
  text "+" at 69.5,23.908 h1
  text "-" at 63.5,23.829 h1
  text "3 SERIES" at 68.25,22.187 h1
  text "12V" at 13.6,22.125 h2.2
  text "NOTE: FIT 0 OHM RES TO CHANGE MOTOR INPUT POWER" at 25.5,21.5 h1
  text "TEMP SENS" at 68.25,21.262 h1
  text "5V/12V" at 12.5,20.026 h2.2
  text "!POLARITY!" at 67.373,18.751 h2.2
  text "ORANGE" at 12.475,17.651 h2.2
  text "-" at 59.075,16.579 h1
  text "YELLOW" at 12.402,15.076 h2.2
  text "A" at 58,14.325 h1
  text "K" at 68.525,14.15 h1
  text "PINK" at 11.9,12.7 h2.2
  text "+" at 59.075,11.658 h1
  text "BLUE" at 12.075,10.501 h2.2
  text "DAT" at 42.625,5.95 h1
  text "RX" at 40,5.925 h1
  text "CLK" at 45.15,5.911 h1
  text "5V" at 47.45,5.737 h1
  text "3" at 30.239,4.325 h1
  text "2" at 33.075,4.25 h1
  text "1" at 35.575,4.25 h1
  text "A0" at 59.8,3.737 h1
  text "GND" at 55,3.637 h1
  text "D0" at 57.325,3.637 h1
  text "VCC" at 52.25,3.611 h1
  text "TX" at 39.975,0.35 h1
  text "MCLRn" at 48,0.336 h1
Board Outline:
  lines w0.2: 0,0 0,70 ; 0,0 70,0 ; 0,0 0,70 ; 0,70 70,70 ; 70,0 70,70 ; 70,0 70,70
Mechanical Drawing:
  text "Units: mm" at -32,-10.974 h2.2
  text "Scale: 1:1" at -32,-12.974 h2.2
Top Assembly Drawing:
  text "Assembly TOP of PIC18F Subsystem" at 5,86.564 h3
  text ".VersionRevision" at 53,86 h3

## Dimensions
51.82,2.3 to 0,70 on Mechanical Drawing
0,70 to 39.26,2.2 on Mechanical Drawing
0,70 to 29.66,2.3 on Mechanical Drawing
67.75,52.53 to 70,0 on Mechanical Drawing
67.7,29.28 to 70,0 on Mechanical Drawing
65.4,17.1 to 70,0 on Mechanical Drawing
0,70 to 32.22,67.3 on Mechanical Drawing
10.32,67.3 to 0,70 on Mechanical Drawing
0,70 to 70,70 on Mechanical Drawing
0,0 to 0,70 on Mechanical Drawing
2.5,54.25 to 0,0 on Mechanical Drawing
2.13,39.9 to 0.3,0.3 on Mechanical Drawing
2.5,32.48 to 0.3,0.3 on Mechanical Drawing
0,0 to 4,4 on Mechanical Drawing
2.5,20.83 to 0,0 on Mechanical Drawing
0,0 to 2.5,10.67 on Mechanical Drawing
0,0 to 4,4 on Mechanical Drawing

## Text inside footprints (layer, text, board x,y; h text height)
J1: Top Overlay "1" at 0.414,31.918 h1
J2: Top Overlay "1" at 52.382,0.214 h1 r90
J3: Top Overlay "1" at 64.1,31.2 h1
J4: Top Overlay "1" at 0.414,53.942 h1
J5: Top Overlay "1" at 4.7,10.2 h1
J6: Top Overlay "1" at 49,3.8 h1
J7: Top Overlay "1" at 59.598,69.386 h1 r270
J8: Top Overlay "1" at 27.538,69.386 h1 r270
J9: Top Overlay "1" at 36.6,1.8 h1
J10: Top Overlay "1" at 69.4,34.2 h1
JP1: Top Overlay "1" at 7.25,22.2 h1